# Altium PCB Print.PcbDoc (part 1 of 2)
Units mm, origin at the board's own origin, x right, y up, seen from the top; angles counter-clockwise.
Board outline 140 x 145 mm, 2 copper layers (Top Layer, Bottom Layer), stack 1.57 mm thick; 112 components, 85 nets, 532 pads, 64 vias.
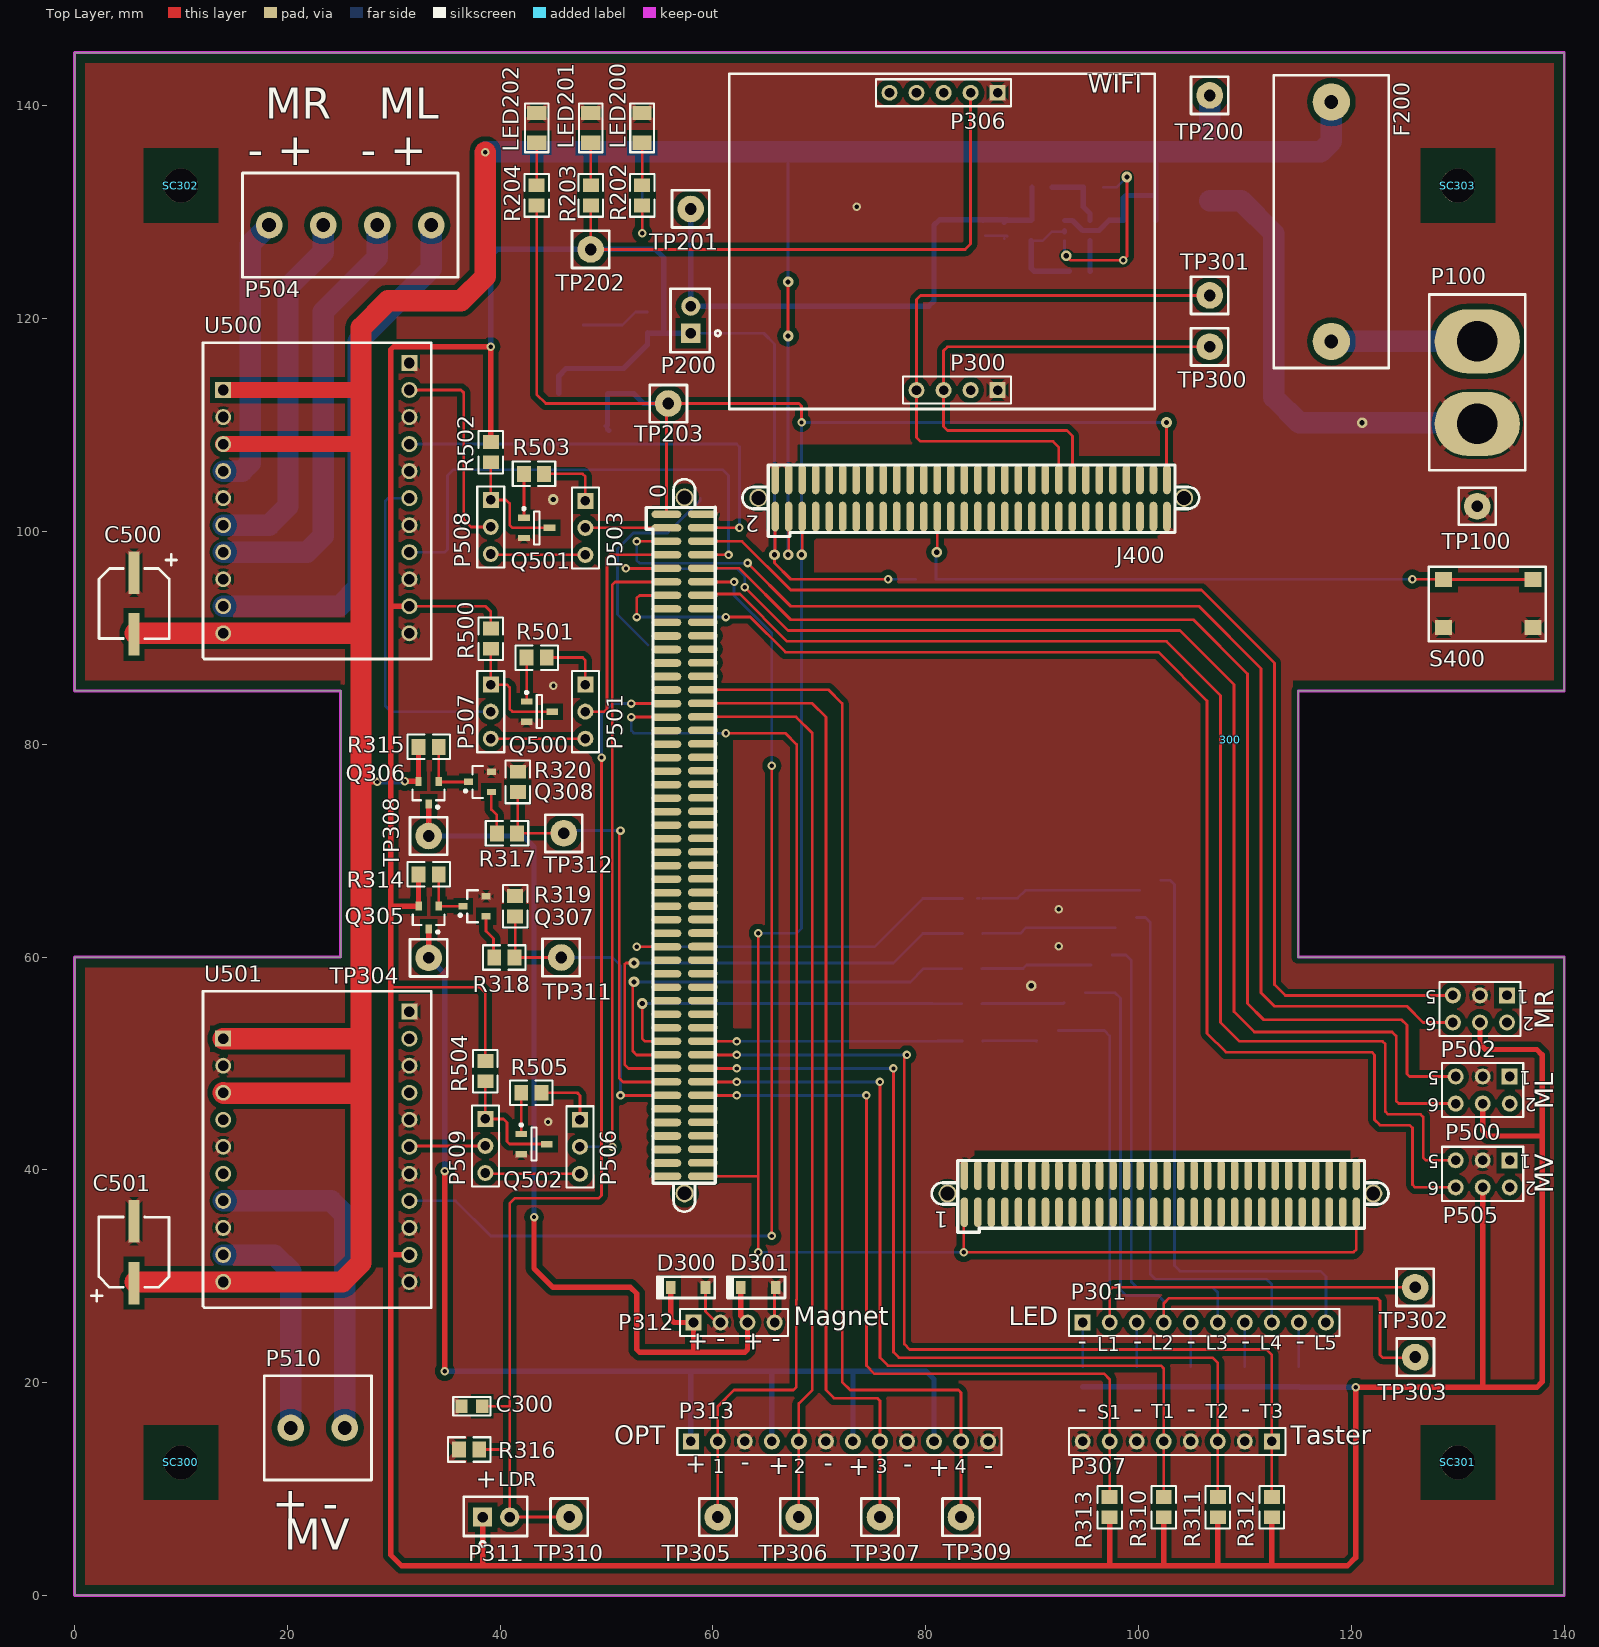
[diagram p0: Top Layer view]
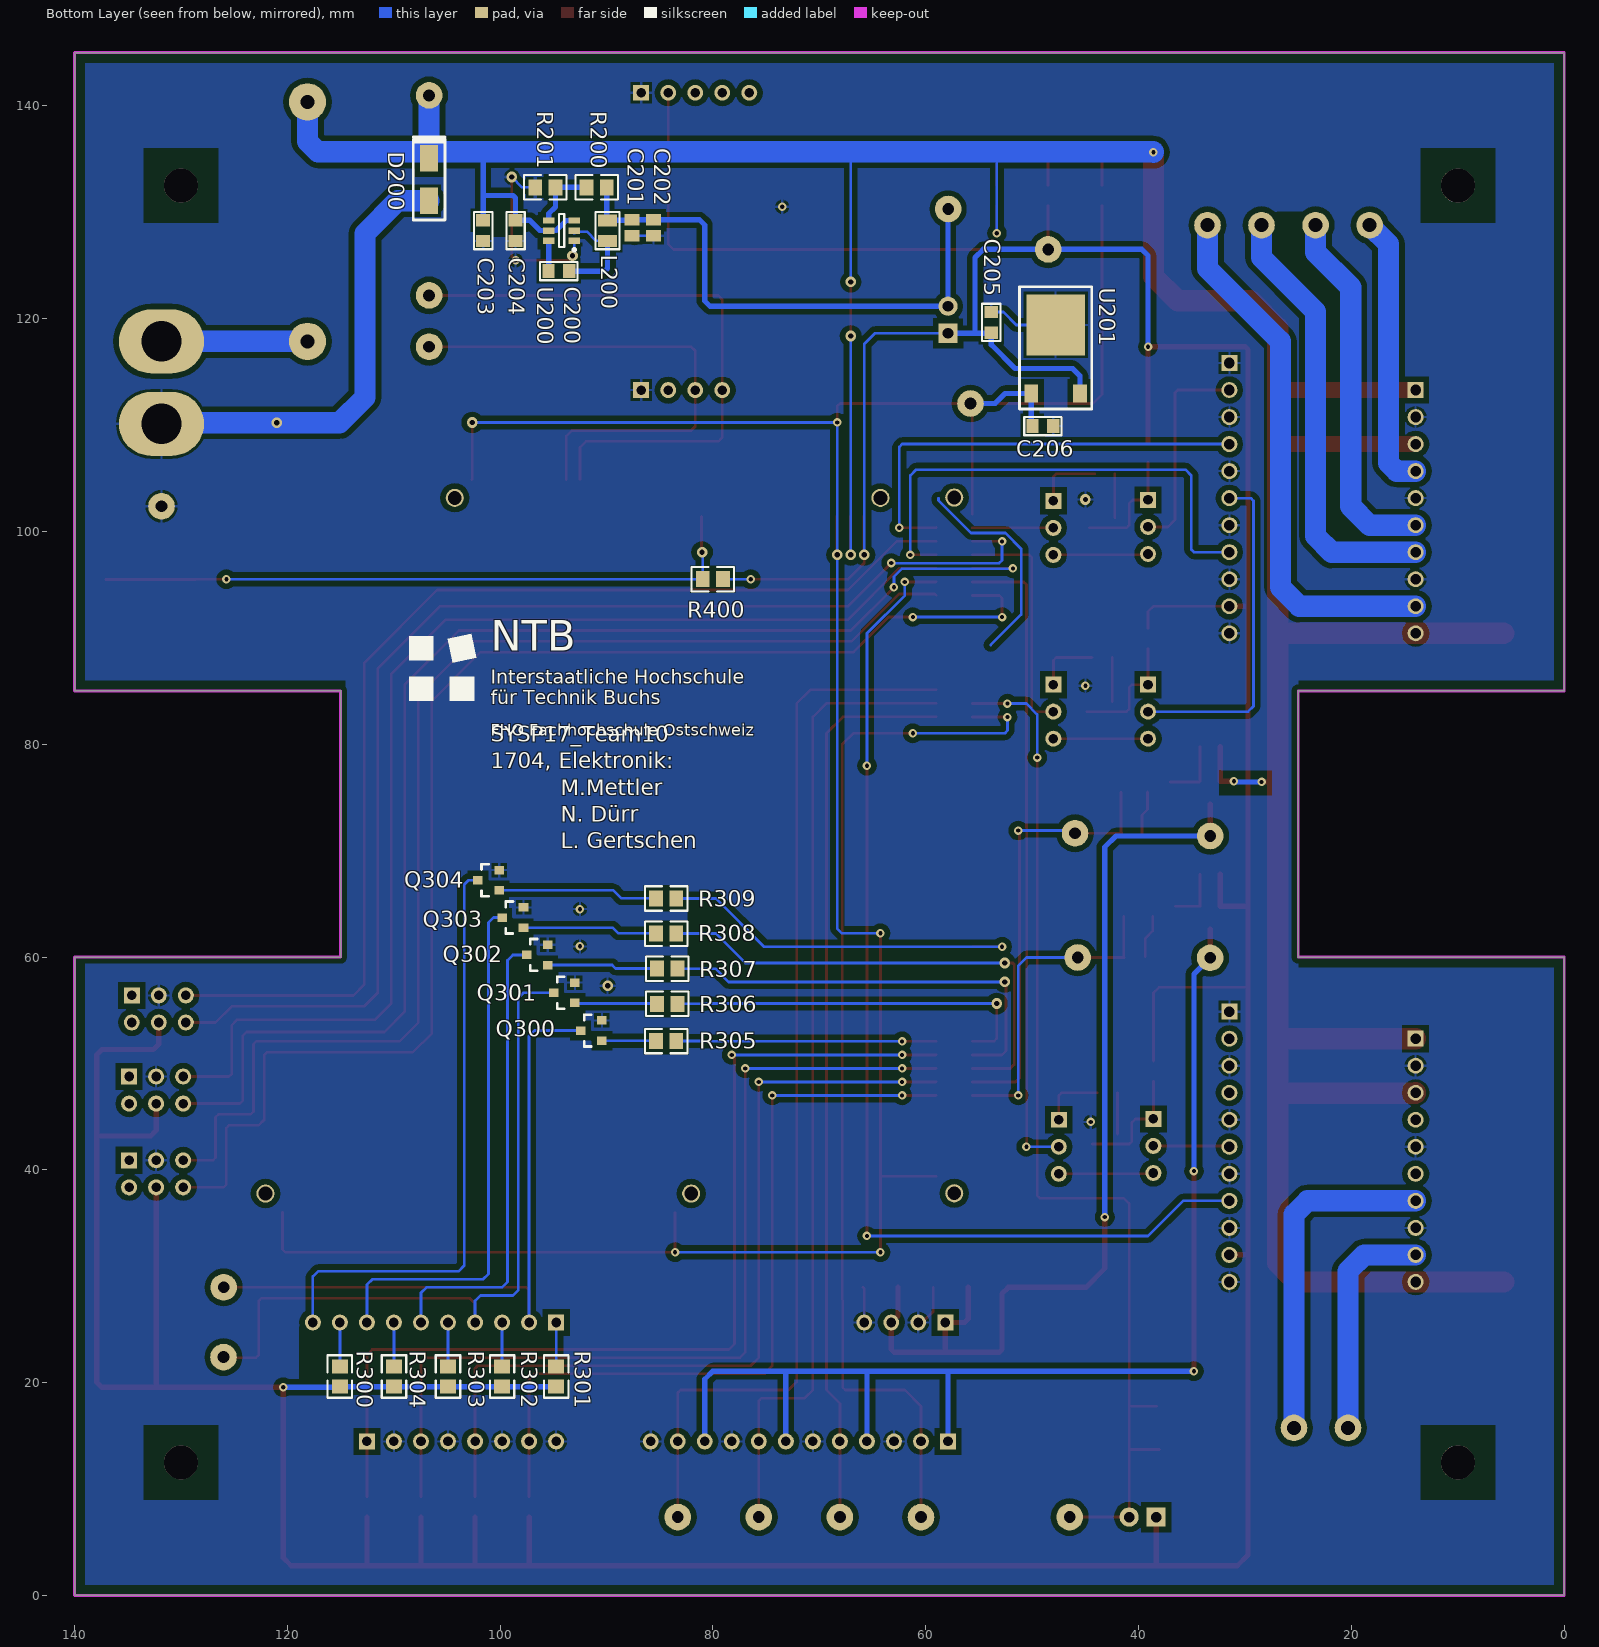
[diagram p1: Bottom Layer view, seen from below]
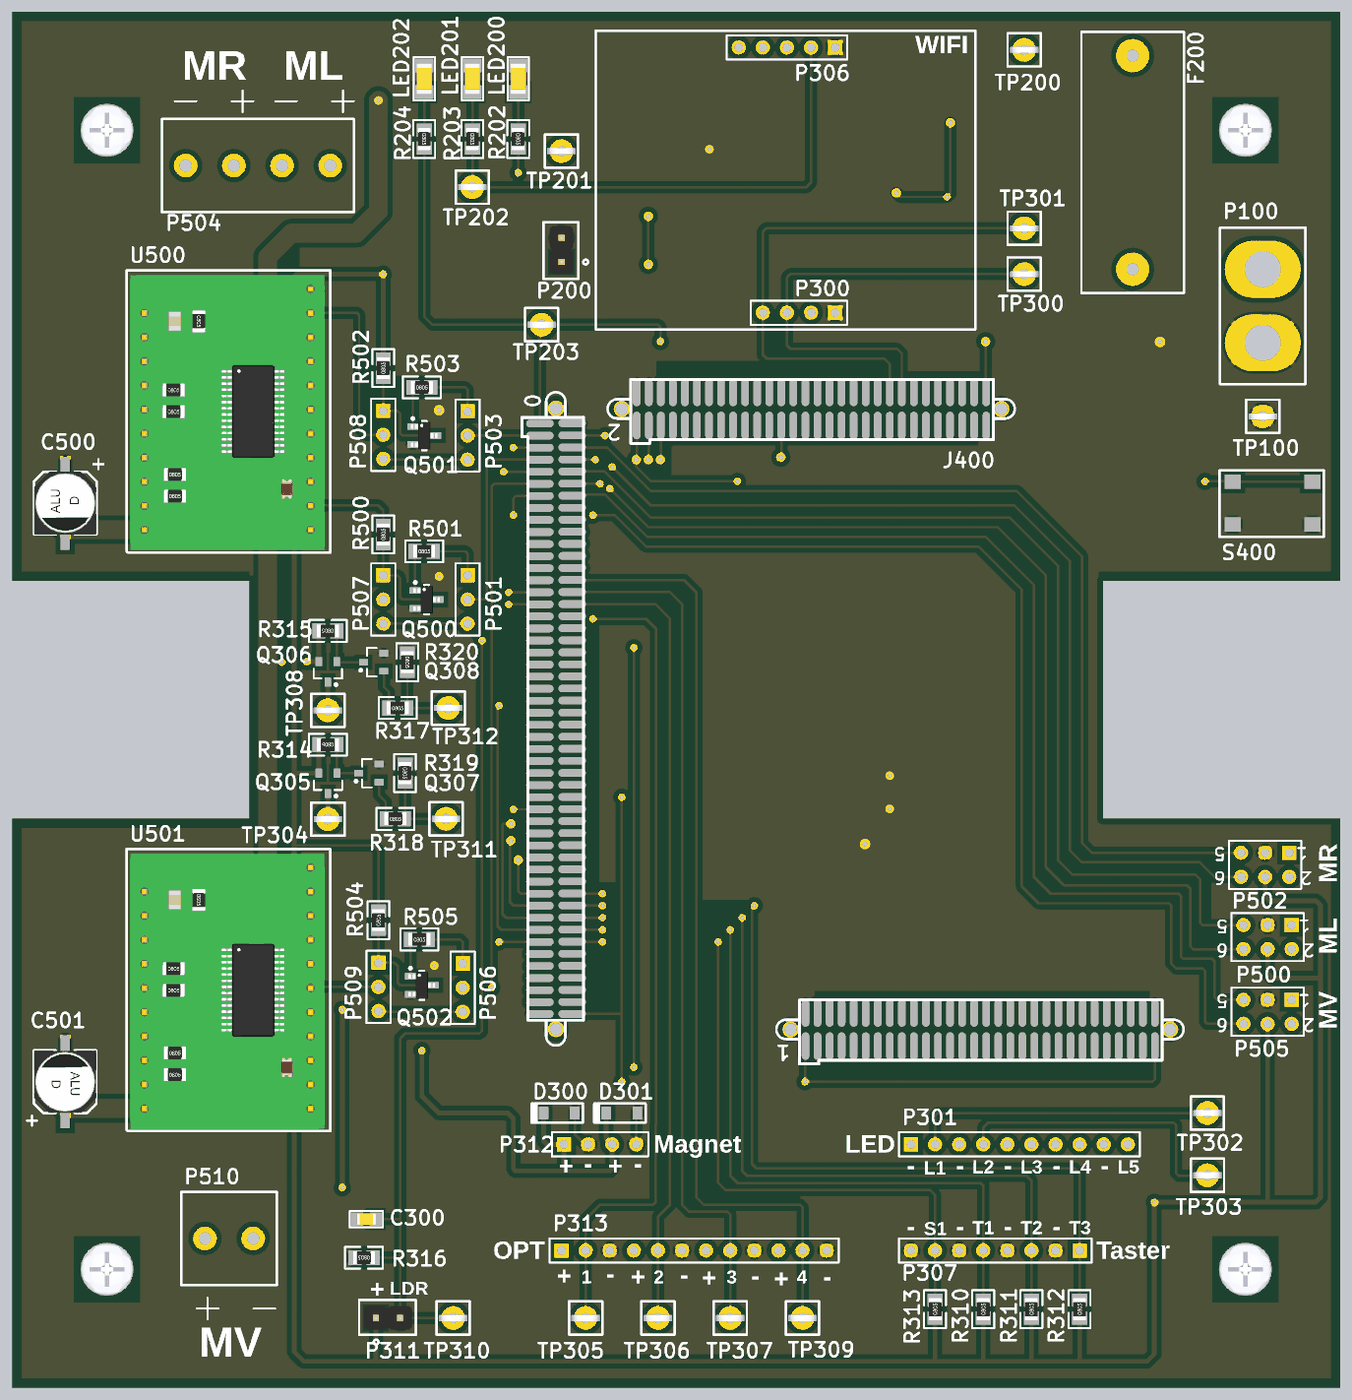
[diagram p3: 3D render of the assembled board from above, using the file's embedded part models]
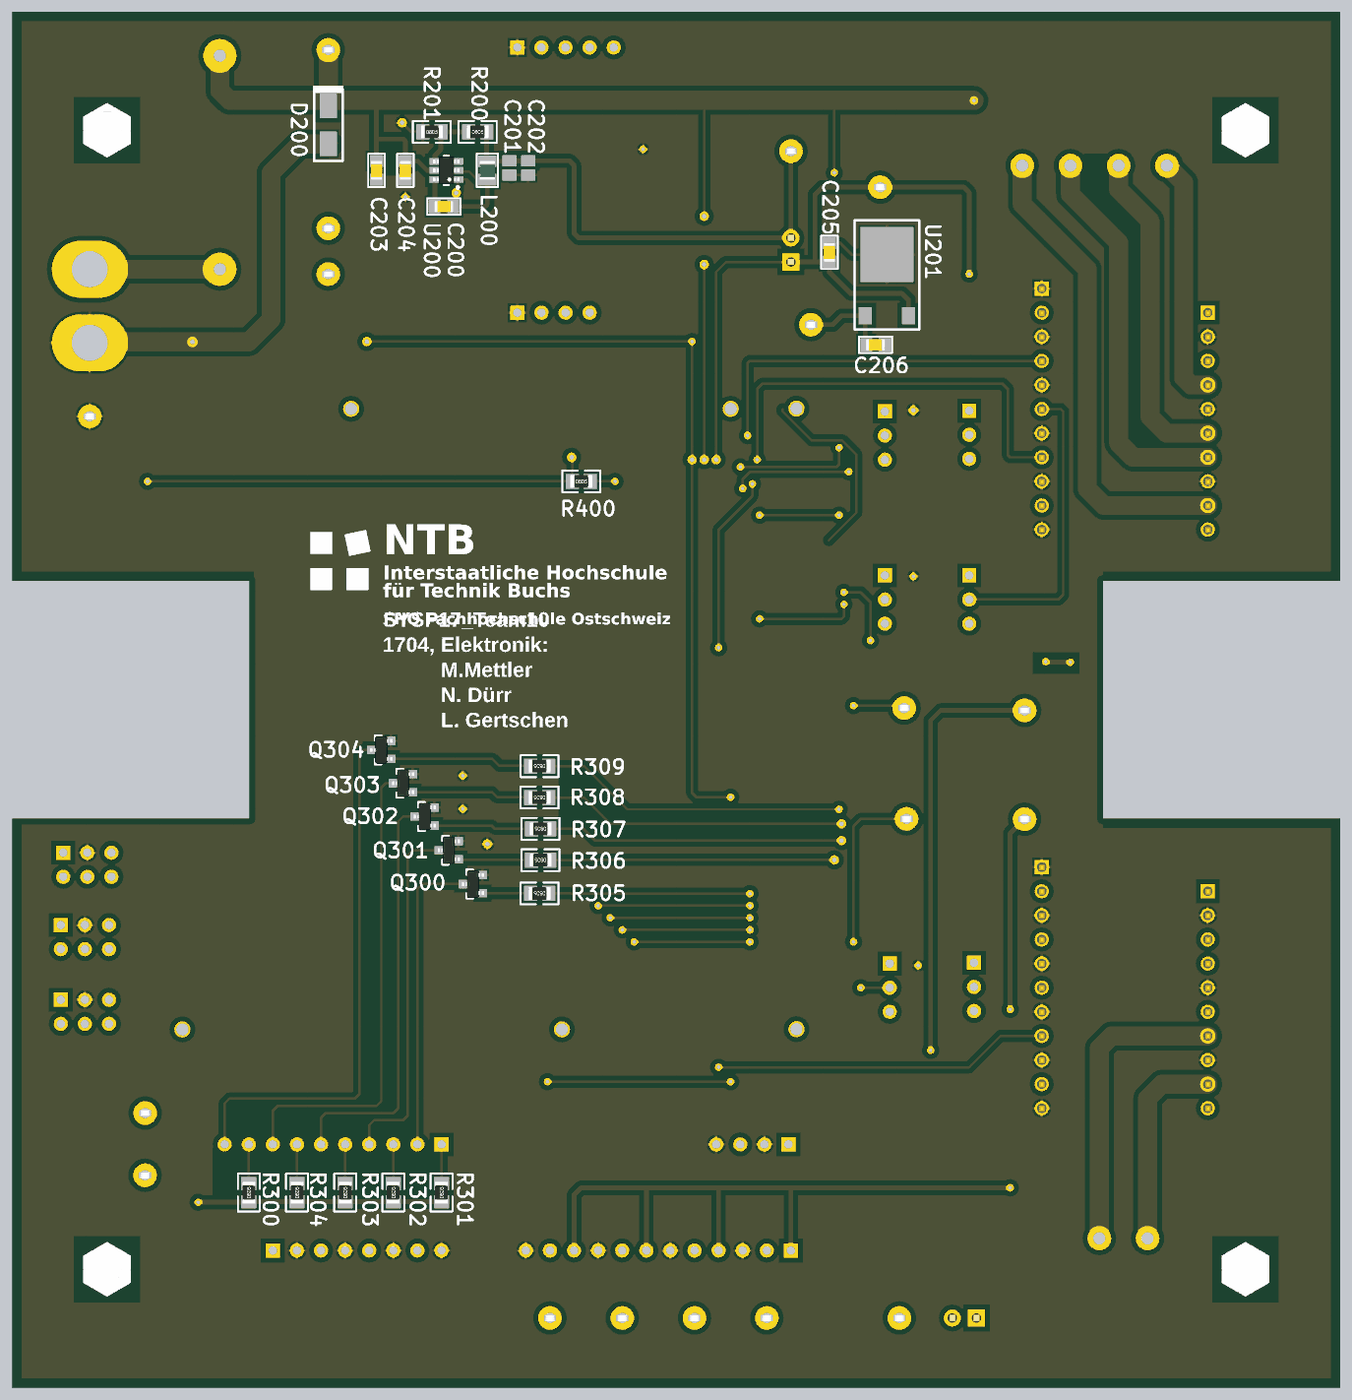
[diagram p4: 3D render of the assembled board from below, using the file's embedded part models]

## Layer stack, top to bottom
Top Solder: solder mask 0.0102, Solder Resist, Dk 3.5
Top Layer: signal copper 0.035
Dielectric1: core 1.5, FR-4, Dk 4.2
Bottom Layer: signal copper 0.035
Bottom Solder: solder mask 0.0102, Solder Resist, Dk 3.5

## Board outline
0,0 0,60 25,60 25,85 0,85 0,145 140,145 140,85 115,85 115,60 140,60 140,0

## Design rules (kind name [scope] priority, off if disabled: settings)
Clearance Polygon [InPolygon] p1: gap=0.508 // Polygon Clearance
Clearance [All] p2: gap=0.254
FabricationTestPointUsage TestPointUsage [All] p1 off: valid=0 allowmultiple=FALSE
FabricationTestpoint Testpoint [All] p1 off: side=3 testpointundercomponent=TRUE minsize=1.016 maxsize=2.54 preferedsize=1.524 minholesize=0 maxholesize=1.016 preferedholesize=0.813 testpointgrid=0.025 allowsidetop=TRUE allowsidebottom=TRUE usegrid=TRUE gridtolerance=0
FanoutControl Fanout_BGA [IsBGA] p1 off: bgadir=Out bgaviamode=Centered fanoutstyle=Auto fanoutdirection=Alternating viagrid=0.025 // Fanout_BGA (Default Rule)
FanoutControl Fanout_LCC [IsLCC] p2 off: bgadir=Out bgaviamode=Centered fanoutstyle=Auto fanoutdirection=Alternating viagrid=0.025 // Fanout_LCC (Default Rule)
FanoutControl Fanout_SOIC [IsSOIC] p3 off: bgadir=Out bgaviamode=Centered fanoutstyle=Auto fanoutdirection=Alternating viagrid=0.025 // Fanout_SOIC (Default Rule)
FanoutControl Fanout_Small [(CompPinCount < 5)] p4 off: bgadir=Out bgaviamode=Centered fanoutstyle=Auto fanoutdirection=OutThenIn viagrid=0.025 // Fanout_Small (Default Rule)
FanoutControl Fanout_Default [All] p5 off: bgadir=Out bgaviamode=Centered fanoutstyle=Auto fanoutdirection=Alternating viagrid=0.025 // Fanout_Default (Default Rule)
Height [All] p1 off: minheight=0 maxheight=25.4 prefheight=12.7
HoleSize HoleType [IsPad And HasSquareHole] p1: absolutevalues=TRUE maxlimit=0 minlimit=0 maxpercent=80.000 minpercent=20.000 // Find Square Holes
HoleSize [All] p2: absolutevalues=TRUE maxlimit=5 minlimit=0.4 maxpercent=80.000 minpercent=20.000
LayerPairs [All] p1 off: enforce=TRUE
MinimumAnnularRing "Minimum Annular Ring" [All] p1: minimumring=0.2
PasteMaskExpansion [All] p1: expansion=0.05
PolygonConnect PolygonConnect_2 [All vs IsNamedPolygon('Top Layer-GND')] p1: connectstyle=Relief reliefconductorwidth=0.254 reliefentries=4 polygonreliefangle="90 Angle" airgapwidth=0.254
PolygonConnect PolygonConnect_1 [All vs IsNamedPolygon('GND_L02_P002')] p2: connectstyle=Relief reliefconductorwidth=0.254 reliefentries=4 polygonreliefangle="90 Angle" airgapwidth=0.254
PolygonConnect PolygonConnectVia [IsVia] p3: connectstyle=Direct reliefconductorwidth=0.254 reliefentries=4 polygonreliefangle="90 Angle" airgapwidth=0.254 // Direct Connect Via
PolygonConnect [All] p4: connectstyle=Relief reliefconductorwidth=0.508 reliefentries=4 polygonreliefangle="45 Angle" airgapwidth=0.254
RoutingCorners [All] p1 off: cornerstyle=45-Degree minsetback=2.54 maxsetback=2.54
RoutingLayers [All] p1 off: top layer_v5=TRUE bottom layer_v5=TRUE
RoutingPriority [All] p1 off: routingpriority=0
RoutingTopology [All] p1 off: topology=Shortest
RoutingVias [All] p1: holewidth=0.4 width=0.8 viastyle="Through Hole" minholewidth=0.3 minwidth=0.7 maxholewidth=2 maxwidth=3.4
SignalStimulus "#Version Information" [All] p1 off: kind=1 level=0 starttime=10.00n stoptime=60.00n periodtime=100.00n // Version 0-9 from 2010-11-01
SilkToSolderMaskClearance SilkscreenOverComponentPads [IsPad] p1: minsilkscreentomaskgap=0.254 clearancetoexposedcopper=TRUE
SolderMaskExpansion [All] p1: expansion=0.05
Width [All] p1: maxlimit=2.54 minlimit=0.254 preferedwidth=0.254 minimp=50.000000 maximp=50.000000 favimp=50.000000
14 further rules are at their usual default settings.

## Classes and differential pairs
component class div_Ele: 300 C300 D300 D301 P300 P301 P306 P307 P311 P312 P313 Q300 Q301 Q302 Q303 Q304 Q305 Q306 Q307 Q308 R300 R301 R302 R303 R304 R305 R306 R307 R308 R309 R310 R311 R312 R313 R314 R315 R316 R317 R318 R319 R320 SC300 SC301 SC302 SC303 TP300 TP301 TP302 TP303 TP304 TP305 TP306 TP307 TP308 TP309 TP310 TP311 TP312
component class Motoren: C500 C501 P500 P501 P502 P503 P504 P505 P506 P507 P508 P509 P510 Q500 Q501 Q502 R500 R501 R502 R503 R504 R505 U500 U501
component class PIC: J400 R400 S400
component class Supply_12Vto5V_5Vto3.3V: C200 C201 C202 C203 C204 C205 C206 D200 F200 L200 LED200 LED201 LED202 P200 R200 R201 R202 R203 R204 TP200 TP201 TP202 TP203 U200 U201
component class SysP_Uebersicht: P100 TP100

## Components (designator, comment, footprint, x,y, rotation, side; value= is the part's Value field where it differs from the comment)
300 "NTB Logo Medium" "NTB Logo Medium" 108.6,80.4 r180 top
C200 "100n" CAPC0805 94.488,124.46 r180 bottom
C201 "22u" C0805 87.594,128.524 r270 bottom
C202 "22u" C0805 85.598,128.524 r270 bottom
C203 "22uF" CAPC0805 101.6,128.27 r270 bottom
C204 "100nF" CAPC0805 98.552,128.27 r270 bottom
C205 "1uF" CAPC0805 53.848,119.634 r90 bottom
C206 "1uF" CAPC0805 49,109.9 r180 bottom
C300 "100nF" CAPC0805 37.338,17.78 r180 top
C500 "AVE476M16D16T-F" "CDE_CAP AVE CODE D_H" 5.588,93.218 r180 top
C501 "AVE476M16D16T-F" "CDE_CAP AVE CODE D_H" 5.588,32.258 r0 top
D200 "D Zener" SMD_2PIN 106.68,131.064 r90 bottom
D300 "1N4148" SMD_2PIN_DIODE 57.658,28.956 r0 top
D301 "1N4148" SMD_2PIN_DIODE 64.262,28.956 r0 top
F200 "Fuse 1" CONNECTOR_2 118.11,117.856 r90 top
J400 "MPC555 Headerboard" "MPC555 Headerboard SMT" 55.626,101.6 r90 top locked
L200 "CKP2016 4R7M-T" IND0806 89.916,128.27 r90 bottom
LED200 "LSR976" CAPC1206 53.34,137.922 r270 top
LED201 "LSR976" CAPC1206 48.514,137.922 r270 top
LED202 "LSR976" CAPC1206 43.434,137.922 r270 top
P100 "Header 2" CONNECTOR_BAT_2 131.826,117.856 r270 top
P200 "2 Pin Header 2.54mm" "2Pin Header 2.54mm" 57.912,118.618 r90 top
P300 "WIFI_A" HDR1X4 86.748,113.282 r180 top
P301 "Header 10" HDR1X10 94.742,25.654 r0 top
P306 "WIFI_B" HDR1X5 86.748,141.222 r180 top
P307 "Header 8" HDR1X8 112.522,14.478 r180 top
P311 "LDR" "2Pin Header 2.54mm" 38.354,7.366 r0 top
P312 "Header 4" HDR1X4 58.166,25.654 r0 top
P313 "Header 12" HDR1X12 57.912,14.478 r0 top
P500 "Header 6" HDR2X3 134.874,48.768 r180 top
P501 "Header 3" HDR1X3 48.006,85.598 r270 top
P502 "Header 6" HDR2X3 134.62,56.388 r180 top
P503 "Header 3" HDR1X3 48.006,102.87 r270 top
P504 "Header 4" CONNECTOR_4HEADER 33.528,128.778 r180 top
P505 "Header 6" HDR2X3 134.874,40.894 r180 top
P506 "Header 3" HDR1X3 47.498,44.704 r270 top
P507 "Header 3" HDR1X3 39.116,85.598 r270 top
P508 "Header 3" HDR1X3 39.116,102.956 r270 top
P509 "Header 3" HDR1X3 38.608,44.784 r270 top
P510 "Header 2" CONNECTOR_2HEADER 25.4,15.748 r180 top
Q300 "BC846B-7-F" DIODS_SOT23_1B2E3C_3_H 91.44,53.086 r90 bottom
Q301 "BC846B-7-F" DIODS_SOT23_1B2E3C_3_H 93.98,56.642 r90 bottom
Q302 "BC846B-7-F" DIODS_SOT23_1B2E3C_3_H 96.52,60.198 r90 bottom
Q303 "BC846B-7-F" DIODS_SOT23_1B2E3C_3_H 98.806,63.707 r90 bottom
Q304 "BC846B-7-F" DIODS_SOT23_1B2E3C_3_H 101.092,67.216 r90 bottom
Q305 "IRLML9301" SOT23_L 33.282,63.7 r270 top
Q306 "IRLML9301" SOT23_L 33.274,75.438 r270 top
Q307 "IRLML2030" SOT23_L 37.6,64.77 r180 top
Q308 "IRLML2030" SOT23_L 38.1,76.454 r180 top
Q500 "MOSFET-N" SOT23-3 43.688,83.058 r0 top
Q501 "MOSFET-N" SOT23-3 43.434,100.33 r0 top
Q502 "MOSFET-N" SOT23-3 43.18,42.418 r0 top
R200 "Generic" GEN_R0805_H 90.932,132.334 r180 bottom
R201 "Generic" GEN_R0805_H 95.758,132.334 r180 bottom
R202 "Generic" GEN_R0805_H 53.34,131.572 r270 top
R203 "Generic" GEN_R0805_H 48.514,131.572 r270 top
R204 "Generic" GEN_R0805_H 43.434,131.572 r270 top
R300 "Generic" GEN_R0805_H 115.062,20.574 r90 bottom
R301 "Generic" GEN_R0805_H 94.742,20.574 r90 bottom
R302 "Generic" GEN_R0805_H 99.822,20.574 r90 bottom
R303 "Generic" GEN_R0805_H 104.902,20.574 r90 bottom
R304 "Generic" GEN_R0805_H 109.982,20.574 r90 bottom
R305 "Generic" GEN_R0805_H 84.4,52.1 r0 bottom
R306 "Generic" GEN_R0805_H 84.3,55.6 r0 bottom
R307 "Generic" GEN_R0805_H 84.3,58.9 r0 bottom
R308 "Generic" GEN_R0805_H 84.4,62.2 r0 bottom
R309 "Generic" GEN_R0805_H 84.4,65.5 r0 bottom
R310 "Generic" GEN_R0805_H 102.362,8.298 r90 top
R311 "Generic" GEN_R0805_H 107.442,8.298 r90 top
R312 "Generic" GEN_R0805_H 112.522,8.298 r90 top
R313 "Generic" GEN_R0805_H 97.282,8.298 r90 top
R314 "Generic" GEN_R0805_H 33.282,67.764 r180 top
R315 "Generic" GEN_R0805_H 33.274,79.756 r180 top
R316 "Generic" GEN_R0805_H 37.084,13.716 r180 top
R317 "Generic" GEN_R0805_H 40.64,71.628 r0 top
R318 "Generic" GEN_R0805_H 40.394,59.952 r0 top
R319 "Generic" GEN_R0805_H 41.41,64.77 r270 top
R320 "Generic" GEN_R0805_H 41.656,76.454 r270 top
R400 "Generic" GEN_R0805_H 80.01,95.504 r180 bottom
R500 "Generic" GEN_R0805_H 39.116,89.916 r90 top
R501 "Generic" GEN_R0805_H 43.434,88.138 r0 top
R502 "Generic" GEN_R0805_H 39.116,107.442 r90 top
R503 "Generic" GEN_R0805_H 43.18,105.41 r0 top
R504 "Generic" GEN_R0805_H 38.608,49.276 r90 top
R505 "Generic" GEN_R0805_H 42.926,47.244 r0 top
S400 "SW-SPST" TASTER 127.762,90.17 r0 top
SC300 "Screw M3x10mm with Distancebolt 15mm" Screw_M3x10_Dist_15mm 10,12.5 r0 top
SC301 "Screw M3x10mm with Distancebolt 15mm" Screw_M3x10_Dist_15mm 130,12.5 r0 top
SC302 "Screw M3x10mm with Distancebolt 15mm" Screw_M3x10_Dist_15mm 10,132.5 r0 top
SC303 "Screw M3x10mm with Distancebolt 15mm" Screw_M3x10_Dist_15mm 130,132.5 r0 top
TP100 "Testpunkt 1mm" GEN_TP-THT-1.1mm_1_H 131.826,102.362 r180 top
TP200 "Testpunkt 1mm" GEN_TP-THT-1.1mm_1_H 106.68,140.97 r180 top
TP201 "Testpunkt 1mm" GEN_TP-THT-1.1mm_1_H 57.9,130.3 r180 top
TP202 "Testpunkt 1mm" GEN_TP-THT-1.1mm_1_H 48.5,126.5 r180 top
TP203 "Testpunkt 1mm" GEN_TP-THT-1.1mm_1_H 55.8,112.014 r180 top
TP300 "Testpunkt 1mm" GEN_TP-THT-1.1mm_1_H 106.68,117.348 r180 top
TP301 "Testpunkt 1mm" GEN_TP-THT-1.1mm_1_H 106.68,122.174 r180 top
TP302 "Testpunkt 1mm" GEN_TP-THT-1.1mm_1_H 125.984,28.956 r180 top
TP303 "Testpunkt 1mm" GEN_TP-THT-1.1mm_1_H 126,22.4 r180 top
TP304 "Testpunkt 1mm" GEN_TP-THT-1.1mm_1_H 33.282,59.919 r0 top
TP305 "Testpunkt 1mm" GEN_TP-THT-1.1mm_1_H 60.452,7.366 r180 top
TP306 "Testpunkt 1mm" GEN_TP-THT-1.1mm_1_H 68.072,7.366 r180 top
TP307 "Testpunkt 1mm" GEN_TP-THT-1.1mm_1_H 75.692,7.366 r180 top
TP308 "Testpunkt 1mm" GEN_TP-THT-1.1mm_1_H 33.274,71.374 r180 top
TP309 "Testpunkt 1mm" GEN_TP-THT-1.1mm_1_H 83.312,7.366 r180 top
TP310 "Testpunkt 1mm" GEN_TP-THT-1.1mm_1_H 46.482,7.366 r180 top
TP311 "Testpunkt 1mm" GEN_TP-THT-1.1mm_1_H 45.728,59.952 r0 top
TP312 "Testpunkt 1mm" GEN_TP-THT-1.1mm_1_H 45.974,71.628 r180 top
U200 "TPS562209" SOT23-6 94.234,128.27 r0 bottom
U201 "LP38691DT-3.3" TO_252_3 47.8,119.4 r180 bottom
U500 "DRV8841Board" DRV8841_Board 13.97,113.284 r0 top
U501 "DRV8841Board" DRV8841_Board 13.97,52.324 r0 top

## Footprints (in the part's own frame and the unit in brackets; to place one, negate y for a bottom-side part, rotate by r counter-clockwise, add the part's x,y. Pads: shape width x height; smd on the part's side, far side on the other; paste and mask are expansions set on the pad)
"2Pin Header 2.54mm" [mm]
  rect 1.8x1.8 hole 1: 1(0,0)
  round 1.8 hole 1: 2(2.54,0)
  silkscreen extent -1.78,-2.79 4.19,1.91, body extent -1.27,-1.24 3.81,1.25, height 8.54
C0805 [mm] "Chip Capacitor, Body 2.0x1.3mm, IPC High Density"
  rect 1.1x1.4 smd: 1(-0.75,0) 2(0.75,0)
  body extent -1.1,-0.72 1.1,0.72, height 1.4
CAPC0805 [mm]
  rect 1.149x1.3 smd: 1(-0.975,0) 2(0.975,0)
  silkscreen extent -1.75,-0.86 1.75,0.86, body extent -1,-0.6 1,0.6, height 1.2
CAPC1206 [mm]
  rect 1.35x1.8 smd: 1(-1.4,0) 2(1.4,0)
  silkscreen extent -2.29,-1.12 2.29,1.12, body extent -1.6,-0.8 1.6,0.8, height 1.8
"CDE_CAP AVE CODE D_H" [mm]
  rect 1x4 smd paste-0.002 mask+0.07: 1(0,-2.9) 2(0,2.9)
  silkscreen extent -4,-4.6 3.29,3.3, body extent -3.31,-3.5 3.29,3.5
CONNECTOR_2 [mm] "Sicherungshalter"
  round 3.5 hole 1.3: 1(0,0) 2(22.5,0)
  silkscreen extent -2.5,-5.4 25,5.4
CONNECTOR_2HEADER [mm] "footrpintPhoenix 2Header"
  round 2.5 hole 1.3: 1(0,0) 2(5.08,0)
  silkscreen extent -2.5,-4.9 7.58,4.9
CONNECTOR_4HEADER [mm] "footrpintPhoenix 4Header"
  round 2.5 hole 1.3: 1(0,0) 2(5.08,0) 3(10.16,0) 4(15.24,0)
  silkscreen extent -2.5,-4.9 17.74,4.9
CONNECTOR_BAT_2 [mm] "Batterie-Buchse"
  oval 6x8 hole 3.8: 1(0,0) 2(7.75,0)
  silkscreen extent -4.4,-4.5 12.1,4.5
DIODS_SOT23_1B2E3C_3_H [mm]
  rect 0.8x0.9 smd: 1(-0.953,-1) 2(0.953,-1) 3(0,1)
  silkscreen extent -1.5,0 1.5,0.66, body extent -1.46,-1.17 1.46,1.17, height 1
DRV8841_Board [mm]
  rect 1.5x1.5 hole 1: 11(0,0) 21(17.5,2.54)
  round 1.5 hole 1: 12(0,-2.54) 13(0,-5.08) 14(0,-7.62) 15(0,-10.16) 16(0,-12.7) 17(0,-15.24) 18(0,-17.78) 19(0,-20.32) 22(17.5,0) 23(17.5,-2.54) 24(17.5,-5.08) 25(17.5,-7.62) 26(17.5,-10.16) 27(17.5,-12.7) 28(17.5,-15.24) 29(17.5,-17.78) 110(0,-22.86) 210(17.5,-20.32) 211(17.5,-22.86)
  silkscreen extent -1.91,-25.27 19.56,4.44, body extent -1.52,-25.04 18.98,3.96, height 7.94
GEN_R0805_H [mm]
  rect 1.3x1.5 smd: 1(-0.95,0) 2(0.95,0)
  silkscreen extent -2,-1.15 2,1.15, body extent -1.15,-0.67 1.15,0.68, height 0.76
GEN_TP-THT-1.1mm_1_H [mm]
  round 2.5 hole 1.1: 1(0,0)
  silkscreen extent -1.75,-1.75 1.75,1.75, body extent -1.5,-0.32 1.5,0.32, height 8.3
HDR1X3 [mm] "Connector; Header; 3 Position"
  rect 1.5x1.5 hole 0.9: 1(0,0)
  round 1.5 hole 0.9: 2(2.54,0) 3(5.08,0)
  silkscreen extent -1.27,-1.27 6.35,1.27
HDR1X4 [mm] "Connector; Header; 4 Position"
  rect 1.5x1.5 hole 0.9: 1(0,0)
  round 1.5 hole 0.9: 2(2.54,0) 3(5.08,0) 4(7.62,0)
  silkscreen extent -1.27,-1.27 8.89,1.27
HDR1X5 [mm] "Connector; Header; 5 Position"
  rect 1.5x1.5 hole 0.9: 1(0,0)
  round 1.5 hole 0.9: 2(2.54,0) 3(5.08,0) 4(7.62,0) 5(10.16,0)
  silkscreen extent -1.27,-1.27 11.43,1.27
HDR1X8 [mm] "Connector; Header; 8 Position"
  rect 1.5x1.5 hole 0.9: 1(0,0)
  round 1.5 hole 0.9: 2(2.54,0) 3(5.08,0) 4(7.62,0) 5(10.16,0) 6(12.7,0) 7(15.24,0) 8(17.78,0)
  silkscreen extent -1.27,-1.27 19.05,1.27
HDR1X10 [mm] "Connector; Header; 10 Position"
  rect 1.5x1.5 hole 0.9: 1(0,0)
  round 1.5 hole 0.9: 2(2.54,0) 3(5.08,0) 4(7.62,0) 5(10.16,0) 6(12.7,0) 7(15.24,0) 8(17.78,0) 9(20.32,0) 10(22.86,0)
  silkscreen extent -1.27,-1.27 24.13,1.27
HDR1X12 [mm] "Connector; Header; 12 Position"
  rect 1.5x1.5 hole 0.9: 1(0,0)
  round 1.5 hole 0.9: 2(2.54,0) 3(5.08,0) 4(7.62,0) 5(10.16,0) 6(12.7,0) 7(15.24,0) 8(17.78,0) 9(20.32,0) 10(22.86,0) 11(25.4,0) 12(27.94,0)
  silkscreen extent -1.27,-1.27 29.21,1.27
HDR2X3 [mm] "Connector; Header; 3x2 Position"
  rect 1.5x1.5 hole 0.9: 1(0,0)
  round 1.5 hole 0.9: 2(0,2.54) 3(2.54,0) 4(2.54,2.54) 5(5.08,0) 6(5.08,2.54)
  silkscreen extent -1.27,-1.27 6.35,3.81
IND0806 [mm]
  rect 1.13x1.8 smd: 1(-0.965,0) 2(0.965,0)
  silkscreen extent -1.75,-1.12 1.75,1.12, body extent -1,-0.8 1,0.8, height 1
"MPC555 Headerboard SMT" [mil] "Connectors for NTB MPC555 Header Board (SMT)"
  oval 28x110 smd: 1(0,0) 2(1,-134) 3(-50,0) 4(-49,-134) 5(-100,0) 6(-99,-134) 7(-150,0) 8(-149,-134) 9(-200,0) 10(-199,-134) 11(-250,0) 12(-249,-134) 13(-300,0) 14(-299,-134) 15(-350,0) 16(-349,-134) 17(-400,0) 18(-399,-134) 19(-450,0) 20(-449,-134) 21(-500,0) 22(-499,-134) 23(-550,0) 24(-549,-134) 25(-600,0) 26(-599,-134) 27(-650,0) 28(-649,-134) 29(-700,0) 30(-699,-134) 31(-750,0) 32(-749,-134) 33(-800,0) 34(-799,-134) 35(-850,0) 36(-849,-134) 37(-900,0) 38(-899,-134) 39(-950,0) 40(-949,-134) 41(-1000,0) 42(-999,-134) 43(-1050,0) 44(-1049,-134) 45(-1100,0) 46(-1099,-134) 47(-1150,0) 48(-1149,-134) 49(-1200,0) 50(-1199,-134) 51(-1250,0) 52(-1249,-134) 53(-1300,0) 54(-1299,-134) 55(-1350,0) 56(-1349,-134) 57(-1400,0) 58(-1399,-134) 59(-1450,0) 60(-1449,-134) 61(-1500,0) 62(-1499,-134) 63(-1550,0) 64(-1549,-134) 65(-1600,0) 66(-1599,-134) 67(-1650,0) 68(-1649,-134) 69(-1700,0) 70(-1699,-134) 71(-1750,0) 72(-1749,-134) 73(-1800,0) 74(-1799,-134) 75(-1850,0) 76(-1849,-134) 77(-1900,0) 78(-1899,-134) 79(-1950,0) 80(-1949,-134) 81(-2000,0) 82(-1999,-134) 83(-2050,0) 84(-2049,-134) 85(-2100,0) 86(-2099,-134) 87(-2150,0) 88(-2149,-134) 89(-2200,0) 90(-2199,-134) 91(-2250,0) 92(-2249,-134) 93(-2300,0) 94(-2299,-134) 95(-2350,0) 96(-2349,-134) 97(-2400,0) 98(-2399,-134) 99(-2449,0) 100(-2449,-134)
  oval 110x28 smd: 101(-2582,-1102.36) 102(-2445,-1102.36) 103(-2582,-1152.36) 104(-2445,-1152.36) 105(-2582,-1202.36) 106(-2445,-1202.36) 107(-2582,-1252.36) 108(-2445,-1252.36) 109(-2582,-1302.36) 110(-2445,-1302.36) 111(-2582,-1352.36) 112(-2445,-1352.36) 113(-2582,-1402.36) 114(-2445,-1402.36) 115(-2582,-1452.36) 116(-2445,-1452.36) 117(-2582,-1502.36) 118(-2445,-1502.36) 119(-2582,-1552.36) 120(-2445,-1552.36) 121(-2582,-1602.36) 122(-2445,-1602.36) 123(-2582,-1652.36) 124(-2445,-1652.36) 125(-2582,-1702.36) 126(-2445,-1702.36) 127(-2582,-1752.36) 128(-2445,-1752.36) 129(-2582,-1802.36) 130(-2445,-1802.36) 131(-2582,-1852.36) 132(-2445,-1852.36) 133(-2582,-1902.36) 134(-2445,-1902.36) 135(-2582,-1952.36) 136(-2445,-1952.36) 137(-2582,-2002.36) 138(-2445,-2002.36) 139(-2582,-2052.36) 140(-2445,-2052.36) 141(-2582,-2102.36) 142(-2445,-2102.36) 143(-2582,-2152.36) 144(-2445,-2152.36) 145(-2582,-2202.36) 146(-2445,-2202.36) 147(-2582,-2252.36) 148(-2445,-2252.36) 149(-2582,-2302.36) 150(-2445,-2302.36) 151(-2582,-2352.36) 152(-2445,-2352.36) 153(-2582,-2402.36) 154(-2445,-2402.36) 155(-2582,-2452.36) 156(-2445,-2452.36) 157(-2582,-2502.36) 158(-2445,-2502.36) 159(-2582,-2552.36) 160(-2445,-2552.36) 201(-8,-402) 202(129,-402) 203(-8,-452) 204(129,-452) 205(-8,-502) 206(129,-502) 207(-8,-552) 208(129,-552) 209(-8,-602) 210(129,-602) 211(-8,-652) 212(129,-652) 213(-8,-702) 214(129,-702) 215(-8,-752) 216(129,-752) 217(-8,-802) 218(129,-802) 219(-8,-852) 220(129,-852) 221(-8,-902) 222(129,-902) 223(-8,-952) 224(129,-952) 225(-8,-1002) 226(129,-1002) 227(-8,-1052) 228(129,-1052) 229(-8,-1102) 230(129,-1102) 231(-8,-1152) 232(129,-1152) 233(-8,-1202) 234(129,-1202) 235(-8,-1252) 236(129,-1252) 237(-8,-1302) 238(129,-1302) 239(-8,-1352) 240(129,-1352) 241(-8,-1402) 242(129,-1402) 243(-8,-1452) 244(129,-1452) 245(-8,-1502) 246(129,-1502) 247(-8,-1552) 248(129,-1552) 249(-8,-1602) 250(129,-1602) 251(-8,-1652) 252(129,-1652) 253(-8,-1702) 254(129,-1702) 255(-8,-1752) 256(129,-1752) 257(-8,-1802) 258(129,-1802) 259(-8,-1852) 260(129,-1852)
  round 66.93 hole 51.18: ""(-2513,-2615.36) ""(-2513,-1040.36) ""(-2512,-67) ""(61,-340) ""(61,-1915) ""(62,-67)
  silkscreen extent -2656,-2671 183,75, body extent -2697,-2697 236,98, height 295
"NTB Logo Medium" [mm]
Screw_M3x10_Dist_15mm [mm]
  round 3.2 hole 3.2: 0(0,0)
  Multi-Layer pour cut-out: -3.5,3.5 3.5,3.5 3.5,-3.5 -3.5,-3.5
  body extent -2.8,-2.89 2.8,2.89, height 2.38
SMD_2PIN [mm] "Z_Diode_Z1SMA12"
  rect 2.5x1.7 smd: 1(0,0) 2(4,0)
  silkscreen extent -1.8,-1.5 6,1.5
SMD_2PIN_DIODE [mm] "SMD_2Pin: Freilaufdiode 1N4148"
  rect 0.91x1.22 smd: 1(-1.642,0) 2(1.642,0)
  silkscreen extent -2.9,-1 2.5,1
SOT23-3 [mm]
  rect 1.1x0.6 smd: 1(-1.2,0.95) 2(-1.2,-0.95) 3(1.2,0)
  silkscreen extent -1.32,-1.55 0.25,1.92, body extent -1.4,-1.45 1.4,1.45, height 1.3
SOT23-6 [mm]
  rect 1.1x0.6 smd: 1(-1.2,0.95) 2(-1.2,0) 3(-1.2,-0.95) 4(1.2,-0.95) 5(1.2,0) 6(1.2,0.95)
  silkscreen extent -1.32,-1.55 0.25,1.92, body extent -1.4,-1.45 1.4,1.45, height 1.45
SOT23_L [mm] "SOT23, 3-Leads, Body 2.9x1.3mm, Pitch 0.95mm, Lead Span 2.3mm - Reverse Pinning, IPC High Density"
  rect 0.85x0.6 smd: 1(1.075,0) 2(-1.075,-0.95) 3(-1.075,0.95)
  silkscreen extent -0.3,-1.5 1.47,1.5, body extent -0.7,-1.5 0.7,1.5, height 1.1
TASTER [mm] "Taster 4 Pin"
  rect 1.6x1.4 smd: 0(0.9,5.3) 0(9.3,5.3) 1(0.9,0.8) 1(9.3,0.8)
  silkscreen extent -0.5,-0.5 10.5,6.5
TO_252_3 [mm] "TO_252_3: Spannungsregler"
  rect 1.3x1.7 smd: 1(2.285,-6.44) 3(-2.285,-6.44)
  rect 5.5x5.7 smd: 2(0,0)
  silkscreen extent -3.4,-7.9 3.4,3.6

## Part data
C200 C203 C204 C205 C206 C300: library part "C Bipolar 0805", "X7R MLCC 0805 (2012 Metric)"
C201 C202: library part "C Bipolar 1206", "X7R MLCC 1206 (3016 Metric)"
C500 C501: library part "CDE_AVE476M16D16T-F_AVE CODE D", "Aluminum Electrolytic Capacitors for Filtering and Bypass, 47uF, 16V"
D200: "Zener Diode"
D300 D301: "High Conductance Fast Diode"
F200: "Fuse"
J400: "NTB MPC555 Headerboard"
L200: library part L, "MULTILAYER CHIP POWER INDUCTORS"
LED200 LED201 LED202: library part OSR_LSR976_0805(1K2A), "Hyper ChipLED, Red,"
P100 P510: "Header, 2-Pin"
P200: library part "2 Pin Connector"
P300: library part "Header 4", "Header, 4-Pin"
P301: "Header, 10-Pin"
P306: library part "Header 5", "Header, 5-Pin"
P307: "Header, 8-Pin"
P311: library part "Header 2", "Header, 2-Pin"
P312 P504: "Header, 4-Pin"
P313: "Header, 12-Pin"
P500 P502 P505: "Header, 6-Pin"
P501 P503 P506 P507 P508 P509: "Header, 3-Pin"
Q300 Q301 Q302 Q303 Q304: library part DIODS_BC846B-7-F_SOT23, "NPN General-purpose Transistor"
Q305 Q306: library part MOSFET-P, "P-Channel MOSFET"
Q307 Q308: library part NMOS-2, "N-Channel Power MOSFET"
Q500 Q501 Q502: "N-Channel MOSFET"
R200 R201 R202 R203 R204 R300 R301 R302 R303 R304 R305 R306 R307 R308 R309 R310 R311 R312 R313 R314 R315 R316 R317 R318 R319 R320 R400 R500 R501 R502 R503 R504 R505: library part GEN_R_2, "generic resistor"
S400: "Single-Pole, Single-Throw Switch"
SC300 SC301 SC302 SC303: library part "Screw M3 10mm with Distancebolt 15mm"
U200: "3-A Synchronous Step-Down Voltage Regulator"
U201: library part MCP1700T-2302E/MB, "Low Quiescent Current LDO, 3-Pin SOT-89, Extended Temperature, Tape and Reel"
U500 U501: library part DRV8841_Board

## Via types
v1: diameter 0.8, hole 0.4, Top Layer to Bottom Layer, 49 vias
v2: diameter 1, hole 0.5, Top Layer to Bottom Layer, 15 vias

## Nets (pads, with @x,y where several pads share a name; then routed paths per layer and width w, separated by ;. In a path a pad name is that pad's centre, name@x,y a point inside that pad or via, vN(x,y) a via of type N, cw(c..) or ccw(c..) an arc to the next point about the centre after c; other vN are vias at no path point)
3.3V: C206.1 J400.1 J400.100 J400.101 J400.159 J400.205 J400.260 R204.2 TP203.1 U201.3 | length 258.2
  Top Layer w0.254: R204.2@43.434,130.622 43.434,112.866 44.286,112.014 TP203.1@55.626,112.014 ; J400.1@55.626,101.6 TP203.1@55.626,112.014 ; J400.100@59.03,39.395 64.237,39.395 64.262,39.37 ; v1(64.262,32.258) 64.262,39.37 ; v1(64.262,62.23) 64.262,39.37 ; v1(68.326,110.236) 68.326,111.76 68.072,112.014 TP203.1@55.8,112.014 TP203.1@55.626,112.014 ; v2@68.377,97.841 J400.205@68.377,101.397 ; J400.101@83.566,35.957 v1(83.566,32.258) 120.202,32.258 120.456,32.512 J400.159@120.456,36.017 ; v2(102.616,110.236) 102.616,104.927 J400.260@102.667,104.877
  Bottom Layer w0.254: v1(64.262,32.258) v1(83.566,32.258) ; v1(64.262,62.23) 67.865,62.23 68.326,62.691 v2(68.326,97.79) v1(68.326,110.236) v2(102.616,110.236)
  Bottom Layer w0.5: C206.1@49.975,109.9 50.085,110.01 U201.3@50.085,112.96 52.54,112.96 53.486,112.014 TP203.1@55.8,112.014 ; C206.1@50.085,109.59 C206.1@50.2,109.475
5V: C205.1 J400.201 P200.1 P306.2 P311.1 P500.4 P502.4 P505.4 Q305.2 R203.2 R300.1 R301.1 R302.1 R303.1 R304.1 R310.1 R311.1 R312.1 R313.1 R314.2 R400.2 R500.2 R502.2 R504.2 TP202.1 U201.1 U500.210 U501.210 | length 555.1
  Top Layer w0.254: 29.718,57.15 38.1,57.15 38.608,56.642 R504.2@38.608,50.226 ; U500.210@31.47,92.964 38.608,92.964 39.116,92.456 R500.2@39.116,90.866 ; R203.2@48.514,130.622 48.514,126.514 TP202.1@48.5,126.5 83.7,126.5 84.208,127.008 P306.2@84.208,141.222 ; v2(65.786,97.79) 65.786,97.028 67.31,95.504 v1(76.454,95.504) ; v2@65.837,97.841 J400.201@65.837,101.397
  Top Layer w0.5: 29.723,64.775 Q305.2@32.332,64.775 R314.2@32.332,67.764 ; U501.210@31.47,32.004 29.718,32.004 ; U500.210@31.47,92.964 29.718,92.964 ; P311.1@38.354,7.366 38.354,2.794 ; R502.2@39.116,108.392 v1(39.116,117.348) 29.972,117.348 29.718,117.094 29.718,92.964 ; R313.1@97.282,7.348 97.282,2.794 ; R310.1@102.362,7.348 102.362,2.856 102.3,2.794 ; R311.1@107.442,7.348 107.442,2.836 107.4,2.794 ; R312.1@112.522,7.348 112.522,2.872 112.6,2.794 ; P502.4@132.08,53.848 132.08,51.816 132.588,51.308 137.414,51.308 137.922,50.8 137.922,43.18 ; P505.4@132.334,38.354 132.334,19.558 ; P500.4@132.334,46.228 132.334,43.688 132.842,43.18 137.922,43.18 ; 29.718,32.004 29.718,3.81 30.734,2.794 38.354,2.794 ; 29.718,32.004 29.718,57.15 29.718,92.964 ; 38.354,2.794 97.282,2.794 ; 97.282,2.794 102.3,2.794 ; 102.3,2.794 107.4,2.794 ; 107.4,2.794 112.6,2.794 ; 112.6,2.794 119.634,2.794 120.396,3.556 v1(120.396,19.558) 132.334,19.558 ; 132.334,19.558 137.414,19.558 137.922,20.066 137.922,43.18
  Bottom Layer w0.254: P200.1@57.912,118.618 64.77,118.618 65.786,117.602 v2(65.786,97.79) ; v1(76.454,95.504) R400.2@79.06,95.504
  Bottom Layer w0.5: v1(39.116,117.348) 39.116,125.916 39.7,126.5 TP202.1@48.5,126.5 54.6,126.5 55.372,125.728 55.372,118.618 ; U201.1@45.515,112.96 45.515,114.615 46.2,115.3 51.6,115.3 53.848,117.548 C205.1@53.848,118.659 53.889,118.618 55.372,118.618 ; P200.1@57.912,118.618 55.372,118.618 ; R301.1@94.742,19.624 R302.1@99.822,19.624 R303.1@104.902,19.624 R304.1@109.982,19.624 R300.1@115.062,19.624 ; R300.1@115.128,19.558 v1(120.396,19.558)
5V_OPT: P313.1 P313.4 P313.7 P313.10 Q305.1 TP304.1 | length 114.1
  Top Layer w0.5: TP304.1@33.282,59.919 Q305.1@33.282,62.625 ; v1(34.798,21.082) v1(34.798,39.878)
  Bottom Layer w0.5: TP304.1@33.282,59.919 34.798,58.403 v1(34.798,39.878) ; v1(34.798,21.082) 57.912,21.082 ; P313.1@57.912,14.478 57.912,21.082 ; P313.4@65.532,14.478 65.532,21.082 ; P313.7@73.152,14.478 73.152,21.082 ; P313.10@80.772,14.478 80.772,20.32 80.01,21.082 73.152,21.082 ; 57.912,21.082 65.532,21.082 ; 65.532,21.082 73.152,21.082
12V: C203.1 C204.1 C500.2 C501.1 D200.2 F200.2 J400.203 Q306.2 R202.2 R315.2 TP200.1 U200.3 U200.5 U500.11 U500.13 U500.110 U501.11 U501.13 U501.110 | length 374.2
  Top Layer w0.254: v1(53.34,128.016) R202.2@53.34,130.622 ; v2(67.056,118.364) v2(67.056,123.444) ; v2@67.107,97.841 J400.203@67.107,101.397
  Top Layer w0.5: 26.924,76.454 v1(28.448,76.454) ; v1(31.047,76.513) Q306.2@32.324,76.513 R315.2@32.324,79.756
  Top Layer w1.5: C501.1@5.588,29.358 C501.1@5.694,29.464 ; U500.13@13.97,108.204 25.908,108.204 ; U500.11@13.97,113.284 26.162,113.284
  Top Layer w2: C501.1@5.694,29.464 U501.110@13.97,29.464 25.146,29.464 26.924,31.242 26.924,47.2 ; C500.2@5.694,90.424 U500.110@13.97,90.424 26.924,90.424 ; U501.13@13.97,47.244 14.014,47.2 26.924,47.2 ; U501.11@13.97,52.324 26.924,52.324 ; v1(38.608,135.636) 38.608,123.952 36.322,121.666 29.464,121.666 26.924,119.126 26.924,90.424 ; 26.924,47.2 26.924,52.324 ; 26.924,52.324 26.924,76.454 26.924,90.424
  Bottom Layer w0.254: v1(53.34,128.016) 53.34,135.664 ; v2(67.056,97.79) v2(67.056,118.364) v2@67.056,118.618 ; v2(67.056,123.444) 67.056,135.664
  Bottom Layer w0.5: v1(28.448,76.454) 30.988,76.454 v1(31.047,76.513) ; U200.3@93.034,129.22 93.792,129.22 94.742,128.27 U200.5@95.434,128.27 96.266,128.27 97.241,129.245 C204.1@98.552,129.245 98.552,131.318 98.806,131.572 101.58,131.572 ; C203.1@101.6,129.245 101.6,135.664
  Bottom Layer w1.5: F200.2@118.11,140.356 F200.2@118.11,140.462
  Bottom Layer w2: v1(38.608,135.636) 38.636,135.664 53.34,135.664 67.056,135.664 101.6,135.664 D200.2@106.68,135.664 ; TP200.1@106.68,140.97 D200.2@106.68,135.664 ; F200.2@118.11,140.356 118.11,136.652 117.122,135.664 D200.2@106.68,135.664
12VBAT: F200.1 P100.1 | length 13.7
  Bottom Layer w2: F200.1@118.11,117.856 P100.1@131.826,117.856
GND: C201.2 C202.2 C203.2 C204.2 C205.2 C206.2 C300.2 C500.1 C501.2 D200.1 D300.2 D301.2 J400.2 J400.99 J400.102 J400.160 J400.202 J400.204 J400.259 LED200.1 LED201.1 LED202.1 P100.2 P300.1 P306.1 P307.2 P307.4 P307.6 P307.8 P312.2 P312.4 P313.3 P313.6 P313.9 P313.12 P500.3 P502.3 P505.3 Q300.2 Q301.2 Q302.2 Q303.2 Q304.2 Q307.2 Q308.2 Q500.2 Q501.2 Q502.2 R201.1 R316.2 R319.1 R320.1 S400.1 TP100.1 U200.1 U201.2 U500.12 U500.15 U500.18 U500.21 U500.23 U500.25 U500.27 U500.29 U500.211 U501.12 U501.15 U501.18 U501.21 U501.23 U501.25 U501.27 U501.29 U501.211 | length 76.6
  Top Layer w0.254: D300.2@59.3,28.956 59.3,26.7 60.346,25.654 P312.2@60.706,25.654 ; P312.4@65.786,25.654 65.786,28.838 D301.2@65.904,28.956 ; v2(93.2,125.9) 93.624,125.476 v1(98.552,125.476) 98.9,125.824 v2(98.9,133.3)
  Top Layer w0.5: P312.4@65.786,25.146 P312.4@65.904,25.264
  Bottom Layer w0.254: U201.2@47.8,119.4 51.5,119.4 52.709,120.609 C205.2@53.848,120.609 ; C202.2@85.598,127.774 C201.2@87.594,127.774 C201.2@87.63,127.738 ; U200.1@93.034,127.32 93.034,126.066 v2(93.2,125.9) ; R201.1@96.708,132.334 97.934,132.334 v2(98.9,133.3)
  Bottom Layer w2: D200.1@106.68,131.064 109.636,131.064 112.71,127.99 112.71,112.59 115.1,110.2 v2(121,110.2) 131.732,110.2 P100.2@131.826,110.106
  other v1: 44.5,44.5 92.5,61 92.5,64.5 45,85.5 73.5,130.5
  other v2: 89.9,57.3 45,103
LDR: C300.1 J400.29 P311.2 R316.1 TP310.1 | length 101.2
  Top Layer w0.254: R316.1@38.034,13.716 40.894,13.716 ; C300.1@38.313,17.78 40.894,17.78 ; TP310.1@46.482,7.366 P311.2@40.894,7.366 40.894,13.716 ; v1(49.53,78.74) 49.53,37.592 49.276,37.338 41.402,37.338 40.894,36.83 40.894,17.78 ; v1(52.324,83.82) J400.29@55.626,83.82 ; 40.894,13.716 40.894,17.78
  Bottom Layer w0.254: v1(49.53,78.74) 49.53,82.804 50.546,83.82 v1(52.324,83.82)
LED1+: P301.1 R301.2 | length 4.1
  Bottom Layer w0.254: R301.2@94.742,21.524 P301.1@94.742,25.654
LED1-: P301.2 Q300.3 TP302.1 | length 63.8
  Top Layer w0.254: P301.2@97.282,25.654 97.282,28.702 97.536,28.956 TP302.1@125.984,28.956
  Bottom Layer w0.254: Q300.3@92.44,53.086 96.774,53.086 97.282,52.578 P301.2@97.282,25.654
LED2+: P301.3 R302.2 | length 4.1
  Bottom Layer w0.254: R302.2@99.822,21.524 P301.3@99.822,25.654
LED2-: P301.4 Q301.3 TP303.1 | length 68.4
  Top Layer w0.254: P301.4@102.362,25.654 102.362,27.432 102.87,27.94 122.428,27.94 122.682,27.686 122.682,22.606 122.936,22.352 125.952,22.352 TP303.1@126,22.4
  Bottom Layer w0.254: Q301.3@94.98,56.642 97.79,56.642 98.298,56.134 98.298,28.702 98.806,28.194 101.854,28.194 102.362,27.686 P301.4@102.362,25.654
LED3+: P301.5 R303.2 | length 4.1
  Bottom Layer w0.254: R303.2@104.902,21.524 P301.5@104.902,25.654
LED3-: P301.6 Q302.3 | length 43.6
  Bottom Layer w0.254: Q302.3@97.52,60.198 98.806,60.198 99.314,59.69 99.314,29.464 99.822,28.956 106.934,28.956 107.442,28.448 P301.6@107.442,25.654
LED4+: P301.7 R304.2 | length 4.1
  Bottom Layer w0.254: R304.2@109.982,21.524 P301.7@109.982,25.654
LED4-: P301.8 Q303.3 | length 49.9
  Bottom Layer w0.254: Q303.3@99.806,63.707 100.631,63.707 101.092,63.246 101.092,30.226 101.6,29.718 112.014,29.718 112.522,29.21 P301.8@112.522,25.654
LED5+: P301.9 R300.2 | length 4.1
  Bottom Layer w0.254: R300.2@115.062,21.524 P301.9@115.062,25.654